# Altium PCB LimeSDR-Micro_M.2_2280_1v0.PcbDoc (part 6 of 7) (continued)
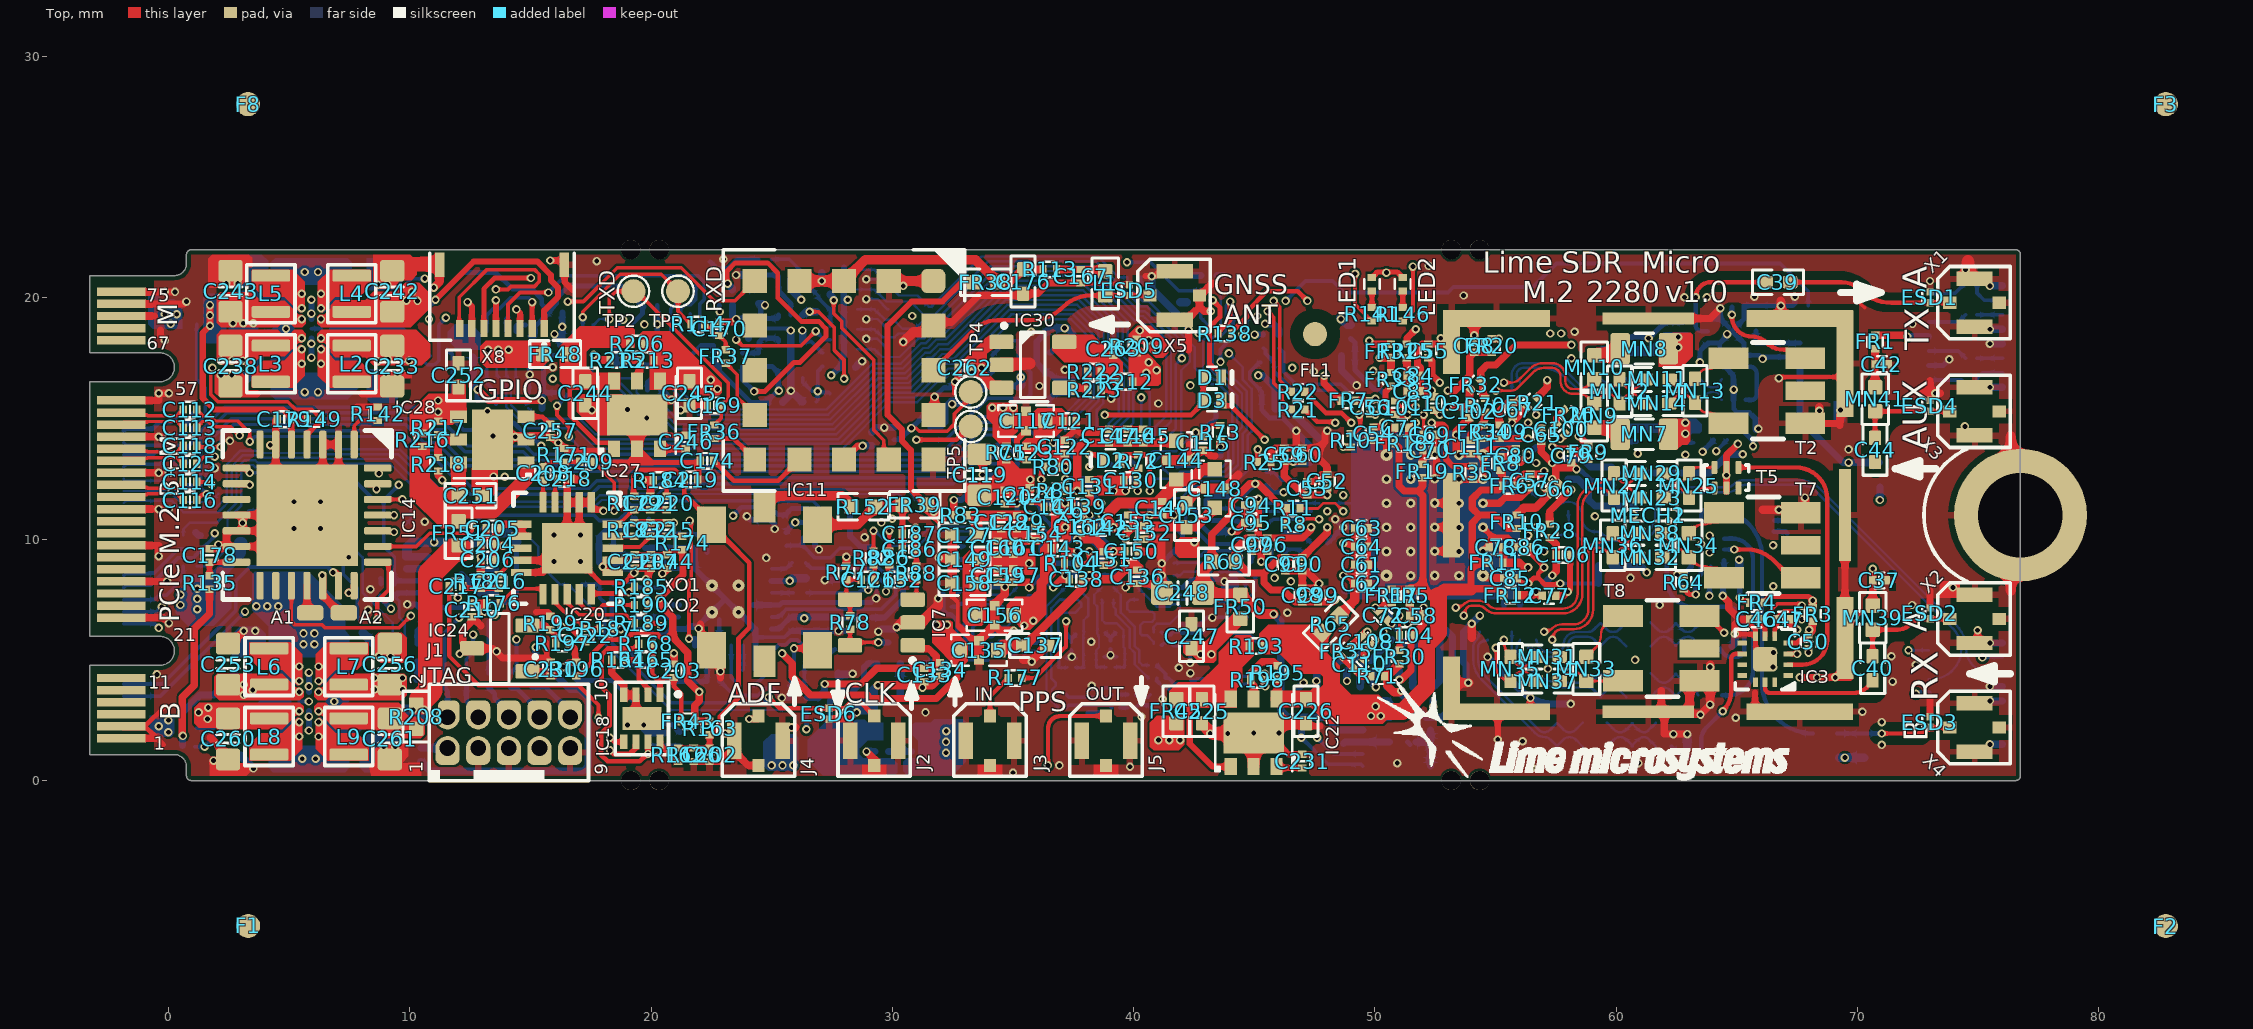
[diagram p0: Top view]
## Nets (pads, with @x,y where several pads share a name; then routed paths per layer and width w, separated by ;. In a path a pad name is that pad's centre, name@x,y a point inside that pad or via, vN(x,y) a via of type N, cw(c..) or ccw(c..) an arc to the next point about the centre after c; other vN are vias at no path point) (continued)
  Top w0.6: IC27.4@20.425,16.55 C245.2@21.59,16.55 C245.2@21.64,16.55
  L4 w0.35: 48.591,19.55 48.591,18.375 49.446,17.52 v1(50.196,17.52)
  L4 w0.5: 51.466,3.775 52.291,4.6 55.341,4.6 56.191,5.45 56.191,6.45 56.79,7.049 57.957,7.049 59.05,8.142 59.05,8.784 61.041,10.775 ; v1(58.141,18.05) 59.791,18.05 ; v1@58.216,12.05 60.916,12.05 ; v1@58.591,15.2 60.266,15.2 61.841,13.625
  L4 w1: 33.225,20 41,20 41.675,20.675 47.551,20.675 48.591,19.635 48.591,19.55 ; 48.666,19.475 52.541,19.475 52.791,19.225 54.016,19.225 54.316,19.525 58.816,19.525 59.641,18.7 59.641,18.2 ; 59.791,18.05 61.116,16.725 62.2,16.725 ; 61.041,10.775 61.041,11.9 61.841,12.7 61.841,13.625 62.666,14.45 62.666,16.259 62.2,16.725 ; 62.566,18.2 62.566,17.091 62.2,16.725
  L6 w0.35: v1@22.75,16.375 23.7,15.425 24.375,15.425 v2(28.25,11.55)
  Bottom w0.25: v2(28.25,11.55) 28.25,10.119 28.684,9.685 29.09,9.685 30.45,8.325 30.45,7.525 29.675,6.75 FR41.1@29.155,6.75
  Bottom w0.3: v1@51.016,3.65 51.346,3.32 FR29.2@51.566,3.32
  Bottom w0.35: v1@48.566,19.175 48.861,18.88 R68.2@48.991,18.88 ; v1(60.721,11) FR27.1@60.721,11.355 FR27.1@60.721,11.43
  Bottom w0.4: MN1.2@59.316,14.7 59.416,14.6 59.65,14.6 62.866,14.6 C33.2@63.316,14.6 ; MN2.2@59.316,17.7 59.416,17.8 59.65,17.8 61.521,17.8 62.096,18.375 62.331,18.14 62.566,17.905 v1(62.566,17.95)
  other v1: 51.091,3.725 62.866,14.375 62.866,14.825 22.35,16.225 22.75,16.225 22.475,16.6 62.566,18.375 48.591,19.125
VCC1P25_LMS: C226.2 FR5.2 FR6.2 FR7.2 FR8.2 FR9.2 FR10.2 FR11.2 FR12.2 FR13.2 FR14.2 FR15.2 FR16.2 FR17.2 FR18.2 FR19.2 FR20.2 FR21.2 IC22.4 R65.1 R193.2 R195.1 | length 77.7
  Top w0.3: IC22.4@45.925,3.375 45.975,3.425 R195.1@45.975,4.195 ; v1(47.891,16.775) 47.891,16.462 FR7.2@48.608,15.745 ; FR17.2@50.691,7.93 FR5.2@51.441,7.93 ; FR18.2@50.836,13.975 50.836,13.95 50.996,13.79 50.996,12.22 51.216,12 51.791,12 ; FR19.2@51.966,12.545 51.966,12.175 51.791,12 ; 51.991,7.93 51.991,11.8 51.791,12 ; FR11.2@54.736,9.025 54.249,9.025 ; FR20.2@54.841,18.305 v1(55.141,18.305) ; FR8.2@55.188,12.86 55.213,12.86 55.213,12.835 55.283,12.765 FR6.2@55.283,12.215 55.283,12.19 55.258,12.19 55.108,12.04 54.394,12.04 54.03,11.676 54.03,11.285 54.316,11 ; FR12.2@55.336,7.675 55.061,7.95 53.98,7.95 53.98,8.757 54.249,9.025 ; FR10.2@55.9,10.44 FR10.2@55.875,10.44 55.501,10.44 54.941,11 54.316,11 ; FR21.2@56.711,15.863 57.141,16.293 v1(57.141,16.593) ; v1(58.441,14.275) FR9.2@58.842,13.874 ; 54.249,9.025 54.03,9.243 54.03,10.676 54.316,10.962 54.316,11
  Top w0.4: FR5.2@51.441,7.93 51.991,7.93 52.246,7.675 52.641,7.675 52.666,7.675
  Top w0.45: R65.1@47.809,6.118 47.809,4.807 48.291,4.325 48.291,3.825 49.416,2.7 v1@49.836,2.7
  Top w0.5: 52.641,7.675 52.891,7.925 53.98,7.925
  Top w0.7: IC22.4@46.025,3.375 C226.2@47.14,3.375 47.7,3.375 ; 50.1,2.862 51.153,2.862 52.141,3.85 52.141,5.625 52.641,6.125 52.641,7.675
  L4 w0.11: 49.685,14.878 49.685,15.426
  L4 w0.25: v1(47.891,16.775) 48.191,16.775 48.991,15.975 49.136,15.975 49.685,15.426 ; 49.685,14.878 49.685,14.706 50.191,14.2 51.116,14.2 51.391,13.925 53.441,13.925 53.531,13.925 53.941,14.334
  L4 w0.3: 53.941,14.334 54.261,14.655
  L4 w0.6: 49.425,3.6 49.425,4.1 50.075,4.75 51.15,4.75 52.075,5.675 54.002,5.675 55.141,6.813 55.141,13.775 54.261,14.655 ; 54.241,14.75 54.241,17.75 54.796,18.305 v1(55.141,18.305) 55.428,18.305 v1(57.141,16.593)
  L4 w0.8: 49.425,3.55 49.425,3.225 49.8,2.85 50.125,2.85
  L6 w0.3: v1(57.141,16.593) 58.091,15.643 58.091,14.8 58.441,14.45 v1(58.441,14.275)
  Bottom w0.3: FR16.2@49.121,2.725 49.121,3.055 49.361,3.295 49.361,3.32 FR15.2@49.386,3.32 50.466,3.32 FR14.2@50.491,3.32 50.516,3.32 50.516,3.27 50.886,2.9 51.841,2.9 52.116,2.625 52.791,2.625 53.216,3.05 FR13.2@53.216,3.32
  other v1: 49.836,2.675 50.241,2.675 50.025,3.075
VCC1P35: C117.1 R75.2 R209.2 R212.2 | length 7.3
  L3 w1: v1@34.141,15.4 36.925,15.4 38.6,17.075 40.7,17.075
  other v1: 34.141,15.45 34.591,15.45 35.016,15.45 40.525,16.9 40.95,17 40.625,17.325
VCC1P35_AVDD_SD_PLL: C119.2 C120.2 C124.1 IC6.L3 R75.1
  other v1: 35.716,12.475
VCC1P35_LDO: C263.1 IC30.5 R212.1 R222.1
VCC1P35_SD_XVDD: C117.3 C121.2 C122.2 C123.2 IC6.M5 IC6.M6 R80.2 | length 2.9
  Top w0.3: R80.2@36.947,13 v1(37.167,13)
  Top w0.4: 35.778,13.887 C117.3@36.516,14.625 ; 36.066,13.734 36.3,13.5 36.947,13.5 ; C117.3@36.242,14.801 C117.3@36.341,14.9
  Bottom w0.25: IC6.M5@36.667,13 v1(37.167,13)
VCC1P35_SW: C238.2 IC25.C2 L3.2 R209.1
  other v1: 2.175,17.4 2.625,17.4 3.075,17.4 41,17.875 40.625,18.25 5.525,18.325 40.25,18.65
VCC1P75: C256.2 FR47.1 IC29.C2 L7.2 | length 18.4
  L4 w1.2: v1@8.55,3.825 17.975,3.825 18.625,3.175 20.125,3.175 22.275,1.025 25.825,1.025
  other v1: 25,0.625 25.45,0.625 25.9,0.625 6.225,3.675 8.55,3.775 9.7,3.775 8.55,4.25 9.7,4.25
VCC2P05: C260.2 FR48.1 IC29.E4 L8.2 | length 22.2
  Top w0.1: C260.2@2.325,2.725 C260.2@2.475,2.575
  L6 w1.1: 1.575,2.75 2.3,3.475 2.3,7.35 3.275,8.325 4.725,8.325 5.8,9.4 6.452,9.4 7.15,10.098 7.15,12.95 10.775,16.575 11.417,16.575 12.467,17.625 13.5,17.625
  other v1: 1.625,2.55 1.25,2.825 5.425,2.875 1.65,3.025 13.25,17.85 13.675,17.85 14.1,17.85
VCC3P3: C164.1 C166.1 C168.1 C173.1 C177.1 C179.1 C229.1 C247.2 FR1.2 FR49.1 FR50.1 IC8.13 IC9.13 IC10.5 IC12.13 IC13.8 IC14.5 IC23.5 LED1.A LED2.A R135.1 R143.1 R148.1 R149.1 R194.2 R203.1 R205.1 R207.2 R210.2 R219.1 R220.1 R221.1 X6.8 X7.8 X8.1 | length 211.7
  Top w0.2: LED1.A@49.875,20.85 50.1,21.075 50.925,21.075 LED2.A@51.15,20.85
  Top w0.25: v1(1.725,18.85) 1.425,18.55 1.425,15.85 1.9,15.375 4.753,15.375 5.05,15.078 5.05,14.995 C179.1@5.075,14.97 5.08,14.975 C179.1@5.095,14.975 ; C179.1@5.087,14.983 C179.1@5.095,14.975 ; IC14.5@5.1,13.925 5.1,14.97 C179.1@5.095,14.975 ; R149.1@5.765,14.975 C179.1@5.095,14.975 ; v1(11.07,19.925) 12.645,21.5 15.3,21.5 15.85,20.95 15.85,20.725 16.15,20.425 16.15,20.05 15.575,19.475 X8.1@15.575,18.725
  Top w0.3: v1@0.575,1.85 0.575,3.45 1.075,3.95 1.075,6.285 1.705,6.915 R135.1@1.705,7.925 ; v1(1.725,18.85) v1(1.725,19.7) ; FR1.2@70.725,18.455 71.995,18.455 v1(72.05,18.4)
  Top w0.6: 43.109,5.475 44.334,6.7 FR50.1@44.425,6.7
  L4 w0.35: v1(0.6,1.85) 0.6,3.275 1.225,3.9 1.225,6.35 1.8,6.925 1.8,8.925 1.125,9.6 1.125,17.125 1.725,17.725 v1(1.725,19.275) v1(1.725,19.7)
  L4 w0.4: v1(11.07,19.925) 11.48,19.925 12.755,18.65 14.4,18.65 15.45,17.6 15.45,16.45 15.675,16.225 15.677,16.225 15.877,16.025 19.42,16.025 ; v1@22.825,19.43 19.42,16.025 ; v1(32.475,15.6) 32.075,15.2 27.85,15.2 27.25,14.6 21.175,14.6 20.243,15.532 19.913,15.532 19.42,16.025
  L4 w0.5: v1@22.825,19.43 24.695,21.3 33.425,21.3 33.775,20.95 40,20.95 40.575,21.525 50,21.525 v1(50.475,21.05) 50.95,20.575 52.425,20.575 52.625,20.775 56.044,20.775 56.494,21.225 73.4,21.225 74.475,20.15 74.475,19.025 73.85,18.4 ; v1(72.05,18.4) 73.85,18.4 ; v1(72.418,3.6) 74.375,5.558 74.375,7.683 74.6,7.908 74.6,8.375 73.85,9.125 73.425,9.125 v1(70.925,11.625) 72.9,13.6 74.375,13.6 75,14.225 75,16.04 74.35,16.69 74.35,17.9 73.85,18.4
  L6 w0.4: v1(1.725,18.85) v1(1.725,19.7) 2,19.975 3,19.975 4.6,21.575 6.825,21.575 7.1,21.3 10.975,21.3 11.5,20.775 11.5,20.2 11.225,19.925 v1(11.07,19.925)
  Bottom w0.2: R205.1@8.966,19.4 10.545,19.4 v1(11.07,19.925) 12.195,21.05 13.575,21.05 14.25,20.375 15.055,20.375 15.475,19.955 15.475,19.743 C164.1@15.77,19.448 ; IC23.5@10.3,5.65 10.3,6.213 10.412,6.325 10.42,6.325 10.47,6.375 R194.2@10.47,6.4 10.52,6.45 10.52,6.542 11.03,7.052 C229.1@11.03,7.1 11.03,7.125 11.08,7.175 12.65,7.175 12.85,7.375 14.05,7.375 14.425,7.75 14.425,9.9 ; IC8.13@14.975,18.425 15.2,18.425 15.2,18.75 ; 15.2,18.751 15.2,18.83 C164.1@15.77,19.4 C164.1@15.77,19.448 ; IC12.13@18.55,18.425 18.72,18.425 19.645,19.35 C166.1@19.645,19.55 ; C166.1@19.645,19.7 C166.1@19.645,19.65 ; C166.1@19.695,19.625 19.695,19.65 C166.1@19.645,19.65 ; C166.1@19.71,19.64 19.697,19.627 19.697,19.602 C166.1@19.645,19.55 ; IC9.13@22.6,18.425 22.825,18.425 C173.1@22.825,19.7 ; C164.1@15.77,19.448 16.097,19.775 16.097,19.997 16.6,20.5 18.795,20.5 C166.1@19.645,19.65 ; C166.1@19.645,19.55 C166.1@19.645,19.65
  Bottom w0.22: IC10.5@31.575,14.625 31.604,14.654 32.029,14.654 32.225,14.85 32.225,15.55 C168.1@32.43,15.755
  Bottom w0.25: C168.1@32.43,15.755 32.545,15.755 32.7,15.6 33.1,15.6 R143.1@33.85,16.35 33.85,16.675 34.15,16.975 R148.1@34.15,17.075
  Bottom w0.3: R221.1@0.59,1.45 0.59,2.815 1.325,3.55 1.89,3.55 R219.1@2.765,4.425 ; R203.1@8.36,19.4 R205.1@8.966,19.4 ; C177.1@9.84,9.275 IC13.8@10.75,9.275 ; v1(70.925,11.625) FR49.1@70.925,12.15 ; v1(72.05,18.4) X7.8@72.943,18.4 ; v1(72.418,3.6) X6.8@72.943,3.6
  Bottom w0.4: C177.1@9.89,9.335 9.89,9.665 10.1,9.875 v1(11.012,9.875) 13.15,9.875 13.55,10.275 14.05,10.275 14.425,9.9
  other v1: 42.775,5.225 43.225,5.225 22.85,19.43
VCC3P3_CLK: C133.2 C134.1 C183.2 C201.2 C207.1 C210.2 C211.2 C252.2 FR38.1 FR39.2 FR40.1 FR42.1 FR43.1 FR44.1 IC7.1 IC16.5 IC17.5 IC20.16 IC20.17 IC28.4 R160.2 R163.1 R173.2 R174.2 R176.1 R186.2 R196.2 R216.2 R217.1 | length 104.2
  Top w0.2: R196.2@16.901,4.337 16.987,4.337 17.525,4.875 17.525,5.205 18.17,5.85 18.945,5.85 19.145,6.05 20.288,6.05 20.413,5.925 20.9,5.925 ; IC20.17@18.425,9.125 18.445,9.145 19.115,9.145 19.25,9.28 19.25,9.305 19.3,9.355 C211.2@19.325,9.355 C207.1@20,9.355 FR44.1@20.675,9.355 20.83,9.51 21.225,9.51 21.275,9.56 R174.2@21.3,9.56 ; v1@23.15,20.595 23.15,21.105 23.495,21.45 24.833,21.45 25.25,21.033 25.25,20 26.225,19.025 26.955,19.025 27.25,18.73 27.25,18.4 26.175,17.325 25.925,17.325 24.725,16.125 v1(24.275,16.125)
  Top w0.25: FR39.2@31.425,11.425 30.775,12.075 30.775,13.693 30.394,14.074 30.394,14.556 29.8,15.15 29.8,18.85 30.8,19.85 32.075,19.85 32.875,20.65 FR38.1@33.375,20.65
  Top w0.3: C252.2@12.021,16.286 C252.2@12.025,16.29 ; C210.2@12.58,7.35 R176.1@13.082,7.35 ; IC20.16@18.425,8.625 18.15,8.625 18.15,8.711 v1(18,8.861) 18,8.889 18.15,9.039 18.15,9.125 IC20.17@18.425,9.125 ; 21.125,5.7 20.9,5.925 20.9,6.775 20.35,7.325 v1(20.35,7.55) 21.325,8.525 21.325,9.56 R174.2@21.3,9.56 ; 21.126,5.7 21.525,5.301 21.525,4.125 22,3.65 22,3.3 21.81,3.11 FR43.1@21.81,2.455 R163.1@22.425,2.455 ; v1(27.2,4) 28.7,4 29.355,4.655 C133.2@31.325,4.655 31.63,4.655 31.825,4.85 31.825,5.15 31.525,5.45 31.095,5.45 IC7.1@30.945,5.6 ; IC7.1@30.845,5.6 IC7.1@30.945,5.6 ; IC7.1@31.045,5.6 IC7.1@30.945,5.6
  Top w0.35: v1(13.087,7) R176.1@13.087,7.325
  Top w0.5: FR39.2@31.425,11.425 31.475,11.375 v1(32,10.85)
  Top w0.6: IC28.4@12.025,15.125 C252.2@12.025,16.29 C252.2@12.025,16.34
  L3 w0.25: v1(23.4,10.975) 24.625,12.2 26.45,12.2 27.3,13.05 27.3,13.1
  L3 w0.4: v1(24.275,16.125) 27.3,13.1 29.75,13.1 v1(31.713,11.138) v1(32,10.85)
  L3 w0.5: v1(11.175,15.75) v1(11.175,15.275) 11.175,13.85 14.475,10.55 14.475,8.937 13.025,7.487 v1@13.025,7.075
  L4 w0.25: v1(20.35,7.55) 21.1,8.3 21.1,8.675 v1(23.4,10.975)
  L6 w0.22: v1(13.087,7) 13.563,7.475 16.937,7.475 17.352,7.06 19.02,7.06 19.125,7.165 19.959,7.165 20.069,7.275 20.075,7.275 v1(20.35,7.55)
  L6 w0.3: v1(22,3.675) 23.425,3.675 23.975,4.225 25.825,4.225 26.05,4 v1(27.2,4)
  Bottom w0.2: v1(23.4,10.975) 23.75,11.325 24.95,11.325 25.26,11.015 25.425,11.015 R160.2@25.475,10.965 25.525,11.015 25.573,11.015 25.833,11.275 26.512,11.275 IC17.5@26.787,11 ; R186.2@23.789,17.16 23.789,16.611 v1(24.275,16.125)
  Bottom w0.25: v1(18,8.861) 18,8.889 17.845,9.044 FR42.1@17.845,9.975 17.845,10.058 18.237,10.45 18.945,10.45 FR40.1@19.345,10.85 ; IC16.5@26.438,3.425 26.925,3.425
  Bottom w0.3: v1(23.175,20.595) 23.37,20.4 R173.2@23.37,20.325 ; 26.925,3.425 27.195,3.695 v1@27.195,4.005
  Bottom w0.4: v1(31.713,11.138) v1@31.975,10.875
VCC3P3_GNSS: C175.2 C176.2 FR38.2 IC11.14 IC11.15 R113.2 | length 11.4
  Top w0.3: FR38.2@34.375,20.65 34.89,20.65 C176.2@35.42,21.18 R113.2@36.24,21.18
  Top w0.4: IC11.15@28,20.7 28.875,21.575 33.45,21.575 FR38.2@34.375,20.65
  Top w0.45: IC11.14@26.15,20.7 v1(27.075,20.7) IC11.15@28,20.7
  Bottom w0.3: v1(27.075,20.7) 27.08,20.705 C175.2@27.08,21.05
VCC3P3_LMK: C188.1 C189.2 C190.2 C194.2 FR40.2 IC15.8 IC15.23 R151.2 | length 15.2
  L6 w0.2: v2(18.375,7.675) 18.375,8.85 19.725,10.2 v2(20.1,10.2)
  Bottom w0.15: C194.2@22.32,4.1 C194.2@22.325,4.105
  Bottom w0.2: v2@18.375,7.7 v2(18.375,7.675) 18.375,6.1 20.375,4.1 C194.2@22.32,4.1 ; C188.1@19.7,10.255 C188.1@19.75,10.205 19.775,10.205 19.905,10.335 FR40.2@19.905,10.85 ; C190.2@20.375,10.205 21.895,10.205 22.325,9.775 IC15.8@22.325,9.45 ; C194.2@22.325,4.105 IC15.23@22.325,5.6
  Bottom w0.3: C188.1@19.775,10.205 C190.2@20.375,10.205
VCC3P3_LMK_VDDO: C196.1 C197.2 C198.2 C199.2 FR42.2 IC15.2 IC15.6 | length 10.7
  L6 w0.2: v2(19.625,6.775) 20.105,6.775 20.725,7.395 20.725,7.705 20.505,7.925 19.575,7.925 19.3,8.2 19.075,8.2 18.875,8.4 18.875,8.75 19.275,9.15 v2(19.824,9.15)
  Bottom w0.2: FR42.2@18.45,10.02 C199.2@18.45,9.375 C197.2@19.1,9.375 19.15,9.325 19.198,9.325 19.373,9.15 v2(19.824,9.15) 20.475,9.15 20.8,8.825 20.8,8.814 20.839,8.775 IC15.6@21.15,8.775 ; C196.1@19.275,6.78 19.28,6.775 IC15.2@21.15,6.775
VCC3P3_M.2: C227.2 FR46.1 R74.1 X9.P2 X9.P4 X9.P70 X9.P72 X9.P74 | length 22.2
  L6 w1.1: -0.125,2.25 -0.125,3.125 0.875,4.125 0.875,6.4 ; 0.1,19.2 1,18.3 1,15.858 0.317,15.175 -0.8,15.175 -1.925,14.05 -1.925,11.325 -0.825,10.225 -0.158,10.225 0.875,9.192 0.875,7.575
  Bottom w0.5: FR46.1@1.737,8.212 2.975,9.45 2.975,9.85 C227.2@3.025,9.85
  other v1: 0,2 -0.4,2.25 0,2.5 1.2,7.1 0.5,7.275 1.2,7.525 0.5,7.7 1.2,7.95 0.1,18.925 -0.15,19.325 0.35,19.325
VCC3P3_RF: C249.1 FR2.1 FR3.2 FR4.2 FR49.2 | length 15.5
  Top w0.2: FR4.2@66.096,7.375 66.096,7.4 66.146,7.45 66.171,7.45 66.346,7.625 67.975,7.625 v1(68.141,7.459)
  Top w0.35: FR3.2@68.141,7.19 v1(68.141,7.459)
  L4 w0.3: v1(68.141,7.459) 69.625,8.943 v1(69.625,13.175)
  Bottom w0.3: FR2.1@67.616,17.57 67.616,14.959 69.4,13.175 v1(69.625,13.175) C249.1@70.05,13.175 FR49.2@70.9,13.175
VCC3P3_RF_RX1: C37.1 C50.1 FR3.1 IC3.4 MN39.2 | length 6.8
  Top w0.2: IC3.4@67.118,5.7 67.488,5.7 67.613,5.825 67.761,5.825 C50.1@67.966,6.03
  Top w0.3: C50.1@67.966,6.03 68.116,6.18 FR3.1@68.116,6.605 ; MN39.2@70.625,7.25 C37.1@70.625,8.295 v1(70.625,8.775)
  L4 w0.3: v1(67.991,6.25) 70.516,8.775 v1(70.625,8.775)
VCC3P3_RF_RX2: C38.1 C51.1 FR4.1 IC4.4 MN40.2 | length 14
  Top w0.2: v1(65.116,7.575) 65.241,7.45 65.486,7.45 65.536,7.4 FR4.1@65.536,7.375
  L4 w0.3: v1(65.116,7.575) 64.491,6.95 64.025,6.95 63.625,6.55 63.625,5.65 64.7,4.575 65.853,4.575 v1(69.478,0.95)
  Bottom w0.2: IC4.4@64.468,9.125 64.468,8.722 C51.1@65.106,8.085 ; v1(65.116,7.575) C51.1@65.116,8.095
  Bottom w0.35: C38.1@69.23,0.95 v1(69.478,0.95) MN40.2@70.25,0.95 MN40.2@70.275,0.95
VCC3P3_SW: C243.2 IC25.E2 L5.2 R207.1
  other v1: 2.675,18.95 3.1,18.95 3.525,18.95 5.525,19.125
VCC_CLK: FR51.1 R208.2 R211.2 | length 7.1
  Top w1: R208.2@10.475,3.35 10.85,3.725 10.85,8.575 11.825,9.55 FR51.1@12.125,9.55
  other v1: 10.15,2.925 10.6,2.925
VCC_CLK_SW: C261.2 IC29.E2 L9.2 R208.1 | length 0.9
  Top w0.1: C261.2@9.175,2.575 C261.2@9.325,2.725
  Top w1: 8.65,2.725 C261.2@9.325,2.725
  other v1: 6.225,2.875
VCC_EXT: C228.2 C232.2 C234.2 C237.2 C239.2 C241.1 C250.2 C254.2 C255.2 C258.2 C259.1 FR46.2 IC25.A1 IC25.A5 IC25.B1 IC25.B5 IC25.E1 IC25.F1 IC25.F5 IC25.G1 IC25.G5 IC29.A1 IC29.A5 IC29.B1 IC29.B5 IC29.E1 IC29.F1 IC29.F5 IC29.G1 IC29.G5 R204.1 R210.1 R211.1 | length 9.8
  Bottom w0.15: C258.2@4.775,0.95 4.775,1.825 IC29.G5@5.025,2.075 ; C255.2@4.775,5.6 4.775,4.725 IC29.A5@5.025,4.475 ; C232.2@4.875,16.4 4.875,17.275 IC25.A1@5.125,17.525 ; C234.2@4.875,21.05 4.875,20.175 IC25.G1@5.125,19.925 ; IC29.G1@6.625,2.075 6.875,1.825 C250.2@6.875,0.95 ; IC29.A1@6.625,4.475 6.875,4.725 6.875,5.55 C254.2@6.875,5.6 ; IC25.A5@6.725,17.525 6.975,17.275 C237.2@6.975,16.4 ; IC25.G5@6.725,19.925 6.975,20.175 C239.2@6.975,21.05
  other v1: 5.55,0.9 6.1,0.9 5.6,5.65 6.05,5.65 5.6,6.1 6.05,6.1 3.65,7.225 4.1,7.225 4.55,7.225 5.65,16.1 6.2,16.1 5.65,21.075 6.2,21.075
VCC_VREF_DAC: C230.1 IC24.1 R167.2 R196.1 R197.1 | length 9.2
  Top w0.25: IC24.1@14.876,4.525 15.525,4.525 15.712,4.338 C230.1@15.851,4.338 16.012,4.338 v1(16.375,4.7) 16.557,4.882 16.886,4.882 R196.1@16.901,4.898 ; R197.1@16.611,5.688 16.851,5.448 R196.1@16.851,4.898
  Bottom w0.2: v1(16.375,4.7) 16.925,4.15 18.39,4.15 20.19,2.35 20.835,2.35 21.125,2.06 21.125,2.035 21.175,1.985 R167.2@21.2,1.985
VDIO_LMS: C28.1 C248.2 FR50.2 IC2.8 R8.1 R10.2 R11.2 R12.2 R13.2 R53.2 R54.2 R69.1 | length 28.8
  Top w0.3: R69.1@43.241,9.075 43.241,10.2 44.051,11.01 44.051,11.536 44.815,12.3 v1(45.041,12.3) 45.166,12.3 46.211,11.255 46.336,11.255 R8.1@46.336,10.625 ; v1(48.686,13.826) 48.692,13.82 R10.2@48.991,13.82
  Top w0.4: FR50.2@44.425,7.7 45.225,6.9 v1(45.8,6.9)
  Top w0.5: R69.1@43.241,9.075 42.875,8.709 C248.2@42.875,7.775 42.95,7.7 FR50.2@44.425,7.7
  L4 w0.3: v1(45.041,12.3) 45.366,12.625 46.966,12.625 48.167,13.826 v1(48.686,13.826)
  Bottom w0.2: v1(45.041,12.3) 44.516,11.775 43.241,11.775 43.143,11.775 42.991,11.623 42.991,10.927 43.143,10.775 44.174,10.775 44.189,10.76 44.316,10.76 44.366,10.71 44.401,10.675 R12.2@45.061,10.675
  Bottom w0.3: v1(45.8,6.9) 46.1,6.6 46.1,2.925 46.4,2.625 R53.2@46.955,2.625 R54.2@47.605,2.625 47.95,2.625 48.475,2.1 C28.1@48.7,2.1 IC2.8@49.5,2.1
XO_VC: C202.1 C219.2 R162.2 R163.2 R166.1 R179.1 XO1.1 XO2.1 | length 17.5
  Top w0.2: R179.1@19.3,11.78 19.275,11.805 19.275,12.605 19.545,12.875 20.975,12.875 21.3,12.55 21.325,12.55 21.375,12.5 C219.2@21.375,12.475 21.375,11.875 22.5,10.75 XO1.1@22.5,10.6 23.212,9.888 24.075,9.025 24.075,6.333 23.625,5.883 23.625,3.425 22.85,2.65 22.85,2.272 22.523,1.945 22.475,1.945 R163.2@22.425,1.895 C202.1@22.425,1.345 R166.1@21.77,1.345 R162.2@21.12,1.345
pads on no net: C39.0 C40.0 C41.0 C44.0 C44.2 C119.0 C127.0 C137.0 C149.0 C153.0 C158.0 C176.0 C225.0 C226.0 C227.0 C228.0 C232.0 C233.0 C234.0 C235.0 C236.0 C237.0 C238.0 C239.0 C242.0 C243.0 C244.0 C245.0 C247.0 C248.0 C250.0 C251.0 C252.0 C253.0 C254.0 C255.0 C256.0 C258.0 C260.0 C261.0 F1.1 F2.1 F3.1 F4.1 F5.1 F6.1 F7.1 F8.1 FL1.1 FL2.1 FR38.0 FR39.0 FR45.0 FR46.0 FR47.0 FR48.0 FR49.0 FR50.0 FR51.0 IC1.A5 IC1.A13 IC1.A21 IC1.AA1 IC1.AA3 IC1.AB30 IC1.AB32 IC1.AC29 IC1.AC31 IC1.AC33 IC1.AD30 IC1.AD32 IC1.AE1 IC1.AE5 IC1.AE31 IC1.AE33 IC1.AF30 IC1.AF34 IC1.AG3 IC1.AG31 IC1.AG33 IC1.AH2 IC1.AH4 IC1.AH32 IC1.AJ1 IC1.AJ3 IC1.AJ5 IC1.AJ11 IC1.AJ13 IC1.AJ21 IC1.AJ27 IC1.AJ29 IC1.AJ31 IC1.AJ33 IC1.AK2 IC1.AK4 IC1.AK6 IC1.AK8 IC1.AK10 IC1.AK26 IC1.AK28 IC1.AK30 IC1.AK32 IC1.AK34 IC1.AL3 IC1.AL5 IC1.AL7 IC1.AL9 IC1.AL11 IC1.AL27 IC1.AL29 IC1.AL31 IC1.AL33 IC1.AM6 IC1.AM10 IC1.AM28 IC1.AM30 IC1.AM34 IC1.AN27 IC1.AN29 IC1.AN31 IC1.AP30 IC1.AP32 IC1.B2 IC1.B4 IC1.B12 IC1.B14 IC1.B22 IC1.C1 IC1.C3 IC1.C5 IC1.C9 IC1.C11 IC1.C13 IC1.C15 IC1.C17 IC1.C19 IC1.C31 IC1.D2 IC1.D4 IC1.D8 IC1.D10 IC1.D12 IC1.D14 IC1.D18 IC1.D22 IC1.D30 IC1.D32 IC1.E3 IC1.E9 IC1.E11 IC1.E13 IC1.E15 IC1.E23 IC1.E29 IC1.E31 IC1.F2 IC1.F4 IC1.F10 IC1.F12 IC1.F14 IC1.F16 IC1.F22 IC1.F26 IC1.F32 IC1.G1 IC1.G29 IC1.H30 IC1.J1 IC1.J31 IC1.K30 IC1.K32 IC1.K34 IC1.L31 IC1.M2 IC1.M6 IC1.M30 IC1.M32 IC1.N31 IC1.N33 IC1.P30 IC1.P32 IC1.R33 IC1.U5 IC1.V4 IC1.V6 IC1.W3 IC1.Y2 IC1.Y4 IC1.Y32 IC3.1 IC3.8 IC3.10 IC3.11 IC3.12 IC3.14 IC4.1 IC4.8 IC4.10 IC4.11 IC4.12 IC4.14 IC6.D13 IC6.F13 IC6.F14 IC6.F15 IC6.G13 IC7.0 IC10.3 IC11.11 IC11.12 IC14.7 IC14.10 IC14.15 IC14.16 IC15.4 IC15.9 IC15.10 IC17.1 IC24.0 IC25.D2 IC29.D2 IC30.0 J1.7 L1.0 MN1.0 MN2.0 MN3.0 MN4.0 MN5.0 MN6.0 MN7.0 MN8.0 MN9.0 MN10.0 MN11.0 MN12.0 MN13.0 MN14.0 MN15.0 MN16.0 MN17.0 MN18.0 MN19.0 MN20.0 MN21.0 MN22.0 MN23.0 MN24.0 MN25.0 MN26.0 MN27.0 MN28.0 MN29.0 MN30.0 MN31.0 MN32.0 MN33.0 MN34.0 MN35.0 MN36.0 MN37.0 MN38.0 MN39.0 MN40.0 MN41.0 R15.0 R65.0 R69.0 R152.0 R207.0 R208.0 R210.0 R211.0 T1.6 T2.2 T3.5 T3.6 T4.5 T4.6 T5.6 T6.6 T7.2 T8.2 X6.10 X6.11 X6.13 X6.14 X9.P5 X9.P6 X9.P7 X9.P9 X9.P11 X9.P23 X9.P25 X9.P29 X9.P30 X9.P31 X9.P32 X9.P34 X9.P35 X9.P36 X9.P37 X9.P38 X9.P54 X9.P56 X9.P58 X9.P67 X9.P68 X9.P69 XO1.3
copper on no net: | length 0.1
  Bottom w0.1: 57.344,10.496 57.352,10.504 ; 57.677,10.163 ccw(c57.677,10.266) 57.75,10.193

## Polygon pours and split planes (outlines as drawn)
GND on L4 "GND_L04_P013" (solid, remove dead copper, pour order 13): -3.25,1.075 -3.25,4.775 -0.35,4.775 ccw(c-0.35,5.375) -0.35,5.975 -3.25,5.975 -3.25,16.525 -0.35,16.525 ccw(c-0.35,17.125) -0.35,17.725 -3.25,17.725 -3.25,20.925 -0.5,20.925 ccw(c-0.5,21.425) 0,21.425 0,21.8 cw(c0.2,21.8) 0.2,22 76.55,22 cw(c76.55,21.8) 76.75,21.8 76.75,0.2 cw(c76.55,0.2) 76.55,0 0.2,0 cw(c0.2,0.2) 0,0.2 0,0.575 ccw(c-0.5,0.575) -0.5,1.075
VCC1P5 on L4 "VCC1P5_L04_P000" (solid, remove dead copper, pour order 0): 41,1.425 40.075,2.35 22.675,2.35 20.425,4.6 4.975,4.6 3.55,3.175 2.875,3.175 2,4.05 2,6.325 2.475,6.8 4.7,6.8 5.65,7.75 8.475,7.75 9.6,6.625 10.1,6.625 10.924,7.449 21.651,7.449 24.7,4.4 41.1,4.4 42.65,2.85 42.65,1.7 42.375,1.425
VCC0P9 on L4 "VCC0P9_L04_P002" (solid, remove dead copper, pour order 2): 9.5,18.125 10.9,16.725 10.9,12.65 12.65,10.9 19.05,10.9 21.05,12.9 26.8,12.9 27.9,11.8 27.9,7.975 29.025,6.85 30.5,6.85 31.475,5.875 33.1,5.875 34.8,7.575 36.2,7.575 36.55,7.225 36.55,5.9 35.175,4.525 27.25,4.525 24.35,7.425 24.35,10.947 24.047,11.25 23.275,11.25 19.925,7.9 10.45,7.9 7.725,10.625 7.725,17.65 8.2,18.125
VCC1P8_LMS on L4 "VCC1P8_LMS_L04_P006" (solid, remove dead copper, pour order 6): 21.575,16.725 21.575,16.075 22.3,15.35 25.25,15.35 26.699,16.799 29.774,16.799 32.475,19.5 33.475,19.5 33.475,20.45 33.05,20.875 28.95,20.875 26.575,18.5 23.775,18.5 22.875,17.6 22.45,17.6
VCC_EXT on L4 "VCC_EXT_L04_P004" (solid, remove dead copper, pour order 4): 4.6,7.025 6.025,8.45 6.025,11.65 7.4,13.025 7.4,20.325 6.45,21.275 4.5,21.275 3.4,20.175 3.4,14.65 3.725,14.325 3.725,11.95 3.15,11.375 3.15,7.3 3.425,7.025
GND on L3 "GND_L03_P014" (solid, remove dead copper, pour order 14): -3.25,1.075 -3.25,4.775 -0.35,4.775 ccw(c-0.35,5.375) -0.35,5.975 -3.25,5.975 -3.25,16.525 -0.35,16.525 ccw(c-0.35,17.125) -0.35,17.725 -3.25,17.725 -3.25,20.925 -0.5,20.925 ccw(c-0.5,21.425) 0,21.425 0,21.8 cw(c0.2,21.8) 0.2,22 76.55,22 cw(c76.55,21.8) 76.75,21.8 76.75,0.2 cw(c76.55,0.2) 76.55,0 0.2,0 cw(c0.2,0.2) 0,0.2 0,0.575 ccw(c-0.5,0.575) -0.5,1.075
VCC1P35_SW on L3 "VCC1P35_SW_L03_P008" (solid, remove dead copper, pour order 8): 41.125,17.675 41.275,17.825 41.275,19.25 40.7,19.825 23.425,19.825 21.775,18.175 15,18.175 14.5,18.675 8.3,18.675 6.675,17.05 5.4,17.05 4.075,18.375 2.3,18.375 1.925,18 1.925,17.05 2.175,16.8 3.3,16.8 5.825,14.275 8.925,14.275 10.8,16.15 11.675,16.15 13.55,14.275 22.1,14.275 24.225,16.4 26.8,16.4 27.4,15.85 30.175,15.85 30.725,16.4 36,16.4 37.275,17.675
VCC3P3 on L3 "VCC3P3_L03_P009" (solid, remove dead copper, pour order 9): 0.95,20.05 2.125,20.05 2.375,19.8 2.375,18.725 2.25,18.6 1.75,18.1 1.75,16.725 2,16.475 3.475,16.475 6.075,13.875 9.55,13.875 12.5,10.925 12.5,7.225 12.975,6.75 42.5,6.75 43.525,5.725 43.525,4.05 42.625,3.15 42.525,3.15 25.792,3.15 25.067,3.875 11.7,3.875 9.95,5.625 9.95,8.025 8.975,9 7.75,9 3.568,13.182 3.568,14.082 3.225,14.425 1.7,14.425 0.375,15.75 0.375,19.475
GND on L7 "GND_L07_P012" (solid, remove dead copper, pour order 12): -3.25,1.075 -3.25,4.775 -0.35,4.775 ccw(c-0.35,5.375) -0.35,5.975 -3.25,5.975 -3.25,16.525 -0.35,16.525 ccw(c-0.35,17.125) -0.35,17.725 -3.25,17.725 -3.25,20.925 -0.5,20.925 ccw(c-0.5,21.425) 0,21.425 0,21.8 cw(c0.2,21.8) 0.2,22 76.55,22 cw(c76.55,21.8) 76.75,21.8 76.75,0.2 cw(c76.55,0.2) 76.55,0 0.2,0 cw(c0.2,0.2) 0,0.2 0,0.575 ccw(c-0.5,0.575) -0.5,1.075
GND on L5 "GND_L05_P016" (solid, remove dead copper, pour order 16): -3.25,1.075 -3.25,4.775 -0.35,4.775 ccw(c-0.35,5.375) -0.35,5.975 -3.25,5.975 -3.25,16.525 -0.35,16.525 ccw(c-0.35,17.125) -0.35,17.725 -3.25,17.725 -3.25,20.925 -0.5,20.925 ccw(c-0.5,21.425) 0,21.425 0,21.8 cw(c0.2,21.8) 0.2,22 76.55,22 cw(c76.55,21.8) 76.75,21.8 76.75,0.2 cw(c76.55,0.2) 76.55,0 0.2,0 cw(c0.2,0.2) 0,0.2 0,0.575 ccw(c-0.5,0.575) -0.5,1.075
GND on L2 "GND_L02_P018" (solid, remove dead copper, pour order 18): -3.25,1.075 -3.25,4.775 -0.35,4.775 ccw(c-0.35,5.375) -0.35,5.975 -3.25,5.975 -3.25,16.525 -0.35,16.525 ccw(c-0.35,17.125) -0.35,17.725 -3.25,17.725 -3.25,20.925 -0.5,20.925 ccw(c-0.5,21.425) 0,21.425 0,21.8 cw(c0.2,21.8) 0.2,22 76.55,22 cw(c76.55,21.8) 76.75,21.8 76.75,0.2 cw(c76.55,0.2) 76.55,0 0.2,0 cw(c0.2,0.2) 0,0.2 0,0.575 ccw(c-0.5,0.575) -0.5,1.075
GND on Bottom "GND_L08_P011" (solid, remove dead copper, pour order 11): -3.25,1.075 -3.25,4.775 -0.35,4.775 ccw(c-0.35,5.375) -0.35,5.975 -3.25,5.975 -3.25,16.525 -0.35,16.525 ccw(c-0.35,17.125) -0.35,17.725 -3.25,17.725 -3.25,20.925 -0.5,20.925 ccw(c-0.5,21.425) 0,21.425 0,21.8 cw(c0.2,21.8) 0.2,22 76.55,22 cw(c76.55,21.8) 76.75,21.8 76.75,0.2 cw(c76.55,0.2) 76.55,0 0.2,0 cw(c0.2,0.2) 0,0.2 0,0.575 ccw(c-0.5,0.575) -0.5,1.075
GND on L6 "GND_L06_P015" (solid, remove dead copper, pour order 15): -3.25,1.075 -3.25,4.775 -0.35,4.775 ccw(c-0.35,5.375) -0.35,5.975 -3.25,5.975 -3.25,16.525 -0.35,16.525 ccw(c-0.35,17.125) -0.35,17.725 -3.25,17.725 -3.25,20.925 -0.5,20.925 ccw(c-0.5,21.425) 0,21.425 0,21.8 cw(c0.2,21.8) 0.2,22 76.55,22 cw(c76.55,21.8) 76.75,21.8 76.75,0.2 cw(c76.55,0.2) 76.55,0 0.2,0 cw(c0.2,0.2) 0,0.2 0,0.575 ccw(c-0.5,0.575) -0.5,1.075
GND on Top "GND_L01_P010" (solid, remove dead copper, pour order 10): -3.25,1.075 -3.25,4.775 -0.35,4.775 ccw(c-0.35,5.375) -0.35,5.975 -3.25,5.975 -3.25,16.525 -0.35,16.525 ccw(c-0.35,17.125) -0.35,17.725 -3.25,17.725 -3.25,20.925 -0.5,20.925 ccw(c-0.5,21.425) 0,21.425 0,21.8 cw(c0.2,21.8) 0.2,22 76.55,22 cw(c76.55,21.8) 76.75,21.8 76.75,0.2 cw(c76.55,0.2) 76.55,0 0.2,0 cw(c0.2,0.2) 0,0.2 0,0.575 ccw(c-0.5,0.575) -0.5,1.075